# Altium PCB GoPoS_PCB_V3_0.PcbDoc (part 1 of 2) (continued)
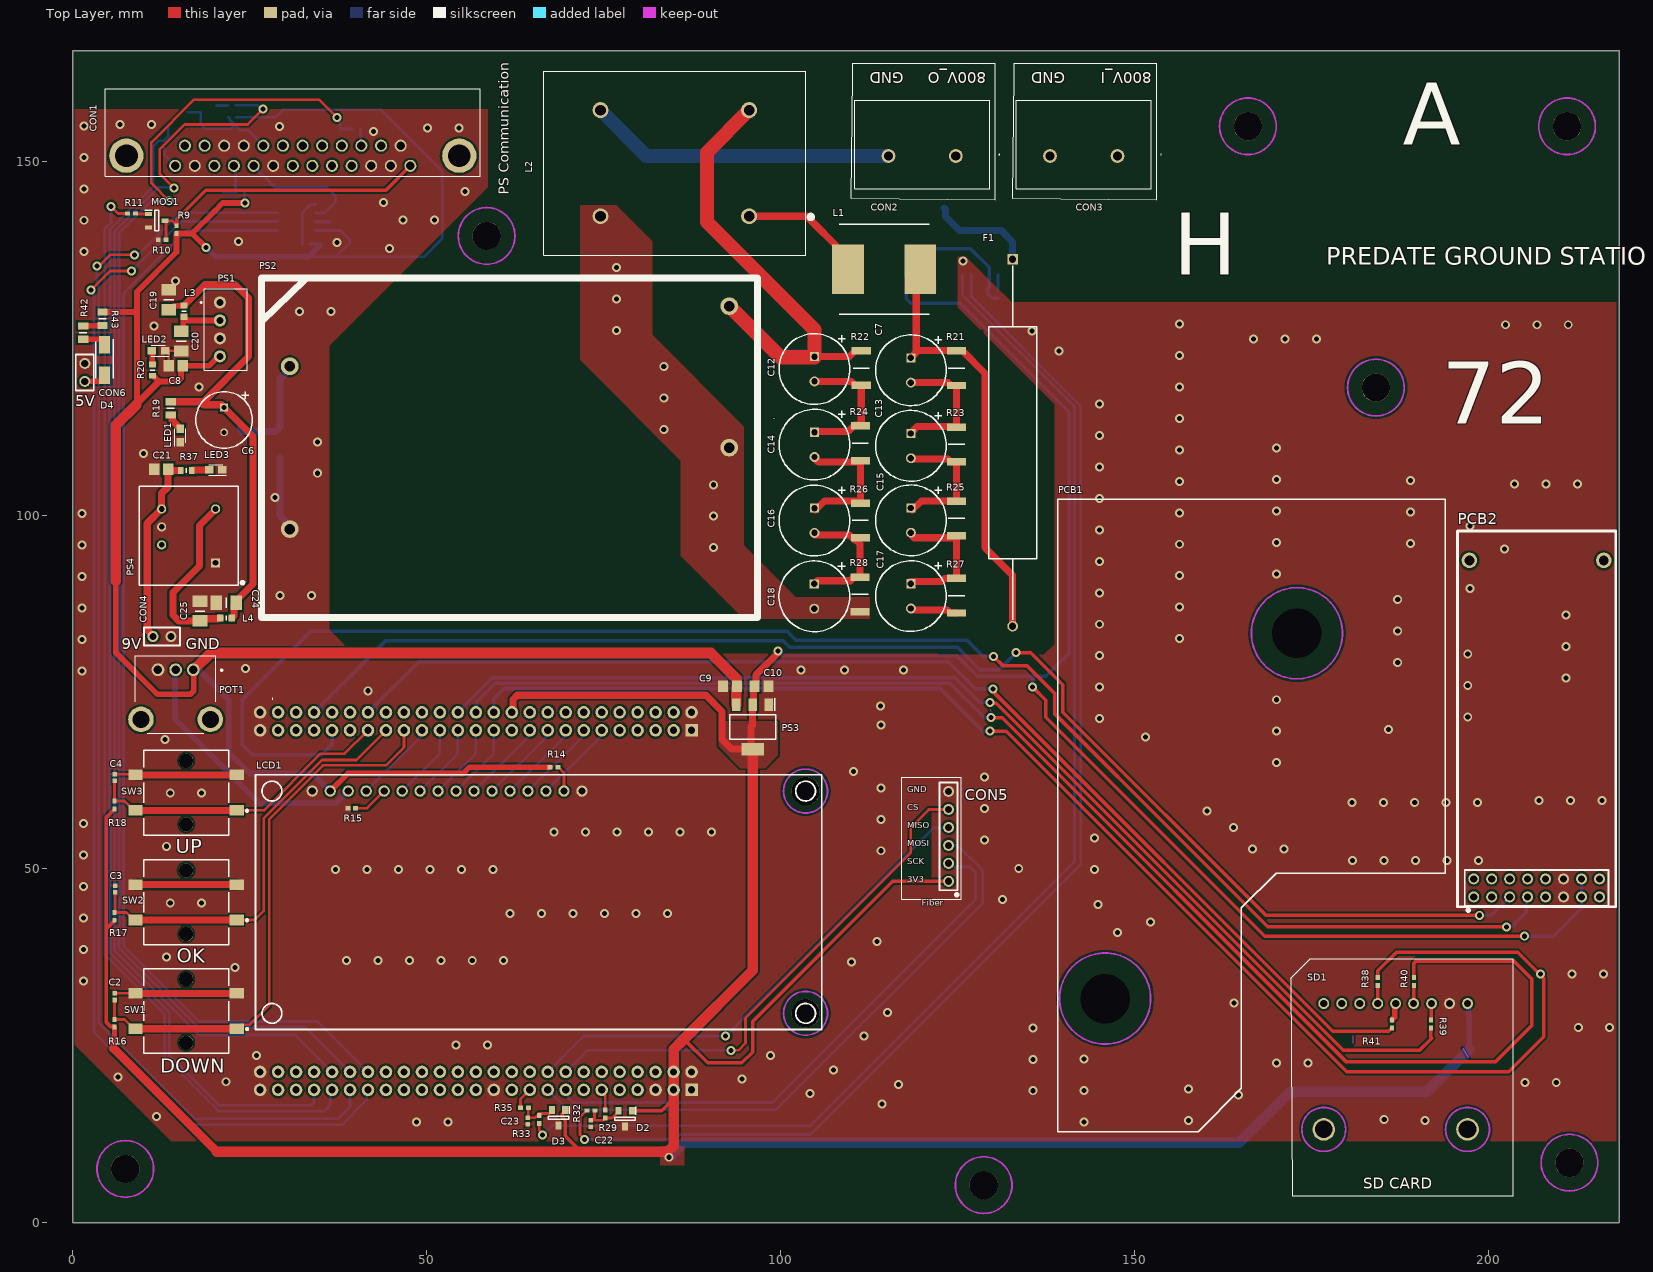
[diagram p0: Top Layer view]
## Part data (continued)
CON2 CON3: "Terminal Block; 32 A; 690 V; 9.5 mm; 24 to 10", Manufacturer="Phoenix Contact", Supplier Part Number 1=651-1714971, Category="Test Probes, Leads and Clips", Manufacturer Part Number=1714971, Part Number=1714971, Pricing 1="1=1,98000, 10=1,93000, 50=1,80000, 100=1,6500", RoHS=Yes, Stock 1=10332, Supplier 1=Mouser
CON4 CON6: "NOVO Female Straight Black Handle, Open Top 2", Manufacturer="TE Connectivity", Supplier Part Number 1=571-8815451, Category="Headers and Wire Housings", Manufacturer Part Number=881545-1, Part Number=881545-1, Pricing 1="1=0,27000, 10=0,21700, 50=0,21700, 100=0,1680", RoHS=Yes, Stock 1=219481, Supplier 1=Mouser
CON5: "2.54MM M20 SMT Connectors 06 Sil Vertical SMT", Case/Package=SIL, Color=Black, Contact Resistance=30mR, Manufacturer=Harwin, Max Current Rating=3A, Max Operating Temperature=105°C, Min Operating Temperature=-40°C, Package Quantity=1000, Supplier Part Number 1=855-M20-8770646, Category="Headers and Wire Housings", ComponentLink1Description=https://datasheet.ciiva.com/9479/m20-876-9479, ComponentLink1URL=https://datasheet.ciiva.com/9479/m20-876-9479, Connector Type="Male Pin", Contact Material=Brass, Contact Mating Length=0.228inch, Contact Plating=Tin, Contact Type="Male Pin", Depth=2.54mm, Gender=Male, Housing Color=Black, Housing Material=Nylon, Length=15.24mm, Manufacturer Part Number=M20-8770646, Mount="Surface Mount", Number of Contacts=6, Number of Positions=6, Number of Rows=1, Orientation=Straight, Packaging=Bag, Part Number=M20-8770646, Pitch=5.08mm, Pricing 1="1=0,50000, 10=0,39400, 50=0,39400, 100=0,3410", Radiation Hardening=No, RoHS=Yes, RoHS Compliant=Yes, Series=M20, Stock 1=3913, Supplier 1=Mouser, Termination=Solder
D1: "Diode TVS Single Uni-Dir 20V 600W 2-Pin SMB", Breakdown Voltage=22.2V, Case/Package=DO-214AA, Clamping Voltage=32.4V, Leakage Current=1uA, Manufacturer=Littelfuse, Max Breakdown Voltage=24.5V, Max Operating Temperature=150°C, Max Power Dissipation=600W, Max Surge Current=18.6A, Min Operating Temperature=-55°C, Operating Supply Voltage=20V, Package Quantity=3000, Power Line Protection=No, Resistor Type=Zener, Supplier Part Number 1=821-SMBJ20A, Test Current=1mA, Category="TVS Diodes", Clamping Voltage-Max=32.4V, ComponentLink1Description=https://datasheet.ciiva.com/46381/607623-4638, ComponentLink1URL=https://datasheet.ciiva.com/46381/607623-4638, ComponentLink2Description=https://datasheet.ciiva.com/331/littelfuse-tv, ComponentLink2URL=https://datasheet.ciiva.com/331/littelfuse-tv, ComponentLink3Description=https://datasheet.ciiva.com/16391/littelfuse-, ComponentLink3URL=https://datasheet.ciiva.com/16391/littelfuse-, ComponentLink4Description=https://datasheet.ciiva.com/331/littelfuse-tv, ComponentLink4URL=https://datasheet.ciiva.com/331/littelfuse-tv, ComponentLink5Description=https://datasheet.ciiva.com/331/littelfuse-tv, ComponentLink5URL=https://datasheet.ciiva.com/331/littelfuse-tv, ComponentLink6Description=https://datasheet.ciiva.com/4509/littelfuse-t, ComponentLink6URL=https://datasheet.ciiva.com/4509/littelfuse-t, Diode Type=ZENER, Direction=Unidirectional, Height=2.44mm, Lead Free="Lead Free", Length=5.59mm, Manufacturer Part Number=SMBJ20A, Min Breakdown Voltage=22.2V, Mount="Surface Mount", Number of Channels=1, Number of Elements=1, Number of Pins=2, Number of Unidirectional Channels=1, Packaging="Tape and Reel", Part Number=SMBJ20A, Peak Pulse Current=18.6A, Peak Pulse Power=600W, Polarity=Unidirectional, Power Dissipation=600W, Pricing 1="1=0,48510, 10=0,37210, 25=0,36840, 100=0,2633", Radiation Hardening=No, REACH SVHC="No SVHC", Reverse Breakdown Voltage=22.2V, Reverse Standoff Voltage=20V, RoHS=Yes, RoHS Compliant=Yes, Series=SMBJ, Stock 1=6334, Supplier 1=Mouser, Termination=SMD/SMT, Voltage Rating (DC)=20V, Width=3.94mm
D2 D3: "DIODE ARRAY SCHOTTKY 30V SOT23", Manufacturer=Nexperia, Supplier Part Number 1=771-BAT54S235, Category="Rectifier Diodes", ComponentLink1Description=https://assets.nexperia.com/documents/data-sh, ComponentLink1URL=https://assets.nexperia.com/documents/data-sh, Manufacturer Part Number=BAT54S,235, Part Number=BAT54S,235, Pricing 1="1=0,20000, 10=0,18900, 50=0,18900, 100=0,1030", RoHS=Yes, RoHS Compliant=Yes, Stock 1=209546, Supplier 1=Mouser
D4: "General Purpose Rectifier 1000V1A SMA (DO-214", Average Rectified Current=1A, Manufacturer=Comchip, Max Reverse Voltage (DC)=1kV, Supplier Part Number 1=750-S1M-HF, Manufacturer Part Number=S1M-HF, Mount="Surface Mount", Part Number=S1M-HF, Pricing 1="1=0,2, 10=0,181, 50=0,181, 100=0,099, 1000=0,", RoHS=Yes, RoHS Compliant=Yes, Series=-, Stock 1=11330, Supplier 1=Mouser
F1: "Fuses with Leads (Through Hole) FUSE, CERAMIC", Manufacturer=Bel, Supplier Part Number 1=530-0ADBP2000-RE, Category=Fuses, Manufacturer Part Number=0ADBP2000-RE, Mount="Through Hole", Part Number=0ADBP2000-RE, Pricing 1="1=6,55000, 5=6,32600, 10=6,10000, 50=4,74460,", RoHS=Yes, Stock 1=535, Supplier 1=Mouser
IC1: "Digital Potentiometer 10k Ohm 1 Circuit 256 T", Manufacturer=Microchip, Supplier Part Number 1=579-MCP41010-I/SN, Category="Digital Potentiometers", Manufacturer Part Number=MCP41010-I/SN, Part Number=MCP41010-I/SN, Pricing 1="1=1,91000, 10=1,91000, 25=1,76000, 50=1,76000", RoHS=Yes, Stock 1=13064, Supplier 1=Mouser
IC2: "Open-drain, 16 Pin, Plastic/epoxy", Manufacturer=ACEINNA, Supplier Part Number 1=438-MCA1101-5-3, Manufacturer Part Number=MCA1101-5-3, Part Number=MCA1101-5-3, Pricing 1="1=6,09000, 10=4,76000, 50=3,86000, 100=3,3200", RoHS=Yes, Stock 1=1841, Supplier 1=Mouser
L1: library part SRR1208-122KL, "Ind Power Shielded Wirewound 1.2mH 10% 1KHz 1", Case/Package=Nonstandard, Manufacturer=Bourns, Supplier Part Number 1=652-SRR1208-122KL, Category="Fixed Inductors", Manufacturer Part Number=SRR1208-122KL, Mount="Surface Mount", Number of Pins=2, Part Number=SRR1208-122KL, Pricing 1="1=1,24000, 10=1,04000, 50=1,04000, 100=0,7500", RoHS=Yes, Stock 1=8, Supplier 1=Mouser
L2: "Filter, Common Mode, 0.01H, 3.4A", Current Rating=3.4A, DC Resistance (DCR)=110mR, Inductance=10mH, Manufacturer="Wurth Electronics", Max Operating Temperature=125°C, Min Operating Temperature=-40°C, Package Quantity=112, Supplier Part Number 1=710-744866103, Voltage Rating (AC)=250V, Category="Common Mode Chokes", Manufacturer Part Number=744866103, Max Current Rating=3.4A, Mount="Through Hole", Number of Lines=2, Packaging=Bulk, Part Number=744866103, Pricing 1="1=2,17000, 10=2,17000, 50=2,17000, 100=2,1700", RoHS=Yes, Series=WE-FCL, Stock 1=28, Supplier 1=Mouser
L3 L4: library part MLZ1608M6R8WT000, "1.6mm x 0.8mm x 0.8mm, -55 to +125 degC, 100m", Manufacturer=TDK, Supplier Part Number 1=810-MLZ1608M6R8WT000, Category="Fixed Inductors", Manufacturer Part Number=MLZ1608M6R8WT000, Part Number=MLZ1608M6R8WT000, Pricing 1="1=0,14000, 10=0,10300, 50=0,10300, 100=0,0820", RoHS=Yes, Stock 1=398, Supplier 1=Mouser
LCD1: "LCD Character Display Modules & Accessories F", Manufacturer="Newhaven Display", Manufacturer Part Number=NHD-0216HZ-FSW-FBW-33V3C, Supplier Part Number 1=763-0216HZFSWFBW33V3, Part Number=1602A, Supplier 1=Mouser
LED1 LED2 LED3: "Led, Green, 520 Nm, 3.2 V, 30 Ma, 450 Mcd Roh", Manufacturer="Wurth Electronics", Supplier Part Number 1=710-150080GS75000, Category=LEDs, Manufacturer Part Number=150080GS75000, Part Number=150080GS75000, Pricing 1="1=0,19000, 10=0,18700, 50=0,17600, 100=0,1510", RoHS=Yes, Stock 1=29367, Supplier 1=Mouser
MCU1: "STM32F407VGT6 Microcontroller Development Kit", Manufacturer=STMicroelectronics, Supplier Part Number 1=497-16287-ND, Category=Microcontrollers, ComponentLink1Description=http://www.farnell.com/datasheets/1868813.pdf, ComponentLink1URL=http://www.farnell.com/datasheets/1868813.pdf, ComponentLink2Description=http://www.farnell.com/datasheets/1868813.pdf, ComponentLink2URL=http://www.farnell.com/datasheets/1868813.pdf, ComponentLink3Description=http://www.st.com/content/ccc/resource/techni, ComponentLink3URL=http://www.st.com/content/ccc/resource/techni, Core Architecture=ARM, Evaluation Kit=Yes, Lead Free="Lead Free", Manufacturer Part Number=STM32F407G-DISC1, Number of Bits=32, Part Number=STM32F407G-DISC1, Pricing 1="1=19,90000 (USD)", REACH SVHC="No SVHC", RoHS=Yes, Stock 1=1, Supplier 1=Digi-Key
MOS1 MOS2: "N-Channel 60 V 0.2 W Surface Mount 2.5 V Driv", Case/Package=TO-236-3, Continuous Drain Current (ID)=250mA, Current Rating=2A, DC Cold Resistance=150mR, Drain to Source Breakdown Voltage=60V, Drain to Source Resistance=1.7R, Gate to Source Voltage (Vgs)=20V, Input Capacitance=15pF, Manufacturer=Rohm, Max Operating Temperature=150°C, Max Power Dissipation=200mW, Min Operating Temperature=-55°C, Package Quantity=3000, Power Dissipation=300W, Resistor Type=Ceramic, Supplier Part Number 1=755-RK7002BMT116, Threshold Voltage=2.7V, Voltage=250V, Voltage Rating (AC)=1kV, Approvals=cURus, Category=MOSFETs, ComponentLink1Description=http://www.farnell.com/datasheets/2197948.pdf, ComponentLink1URL=http://www.farnell.com/datasheets/2197948.pdf, ComponentLink2Description=http://www.mouser.com/ds/2/348/rk7002bmt116-e, ComponentLink2URL=http://www.mouser.com/ds/2/348/rk7002bmt116-e, ComponentLink3Description=http://www.farnell.com/datasheets/2197948.pdf, ComponentLink3URL=http://www.farnell.com/datasheets/2197948.pdf, ComponentLink4Description=http://www.farnell.com/datasheets/2197948.pdf, ComponentLink4URL=http://www.farnell.com/datasheets/2197948.pdf, ComponentLink5Description=http://rohmfs.rohm.com/en/products/databook/d, ComponentLink5URL=http://rohmfs.rohm.com/en/products/databook/d, ComponentLink6Description=http://rohmfs.rohm.com/en/techdata_basic/tran, ComponentLink6URL=http://rohmfs.rohm.com/en/techdata_basic/tran, ComponentLink7Description=https://media.digikey.com/pdf/Data%20Sheets/B, ComponentLink7URL=https://media.digikey.com/pdf/Data%20Sheets/B, ComponentLink8Description=http://www.mouser.com/ds/2/215/574-741252.pdf, ComponentLink8URL=http://www.mouser.com/ds/2/215/574-741252.pdf, ComponentLink9Description=http://mail.keyelco.com/ENG._DEPT/PDF%20CAT%2, ComponentLink9URL=http://mail.keyelco.com/ENG._DEPT/PDF%20CAT%2, ComponentLink10Description=https://datasheet.ciiva.com/29618/3061295-296, ComponentLink10URL=https://datasheet.ciiva.com/29618/3061295-296, ComponentLink11Description=https://datasheet.ciiva.com/29286/448842-da-0, ComponentLink11URL=https://datasheet.ciiva.com/29286/448842-da-0, ComponentLink12Description=https://datasheet.ciiva.com/29755/csd19535kcs, ComponentLink12URL=https://datasheet.ciiva.com/29755/csd19535kcs, ComponentLink13Description=https://datasheet.ciiva.com/46430/1857241-464, ComponentLink13URL=https://datasheet.ciiva.com/46430/1857241-464, Contact Material=Brass, Contact Plating=Tin, Drain to Source Voltage (Vdss)=60V, Element Configuration=Single, Fall Time=28ns, FET Type="1 N-Channel", Fuse Type="Cartridge, Ceramic", Height=16.51mm, Lead Free="Lead Free", Length=1.496inch, Manufacturer Part Number=RK7002BMT116, Material=Brass,Tin, Mount="Surface Mount", Number of Channels=1, Number of Circuits=1, Number of Elements=1, Number of Pins=3, Packaging="Tape and Reel", Part Number=RK7002BMT116, Polarity=N-CHANNEL, Pricing 1="1=0,21000, 10=0,17800, 50=0,17800, 100=0,0940", Rds On Max=2.4R, Reach SVHC Compliant=Yes, Rise Time=5ns, RoHS=Yes, RoHS Compliant=Yes, Series=NexFET™, Stock 1=98948, Supplier 1=Mouser, Termination=SMD/SMT, Turn-Off Delay Time=18ns, Turn-On Delay Time=3.5ns, Voltage Rating (DC)=1kV, Weight=0.211644oz, Width=4.7mm
PCB1: library part "TP-Link MC220L", "Gigabit SFP to RJ45 Fiber Media Converter", Part Number="TP-Link MC220L", Supplier 1=Amazon
PCB2: library part 2-CH-UART-TO-ETH, "The 2-CH UART TO ETH provides an easy way to", ComponentLink1URL=https://www.waveshare.com/wiki/2-CH_UART_TO_E, Part Number=2-CH-UART-TO-ETH, Supplier 1=Waveshare
POT1: library part PTV09A-4030U-B203, "Res Carbon Film POT 20K Ohm 20% 1/20W 1(Elec)", Manufacturer=Bourns, Supplier Part Number 1=652-PTV09A-4030UB203, Category="Variable Resistors and Potentiometers", Manufacturer Part Number=PTV09A-4030U-B203, Part Number=PTV09A-4030U-B203, Pricing 1="1=0,26700, 10=0,26700, 25=0,26700, 50=0,26700", RoHS=Yes, Stock 1=787, Supplier 1=Mouser
PS1: "5 Vdc, 0.2 A, 1 W, 13.5~16.5 Vdc Input Range", Manufacturer=CUI, Supplier Part Number 1=490-PDSE1-S15-S5-S, Category="Board Mount Modules", Manufacturer Part Number=PDSE1-S15-S5-S, Part Number=PDSE1-S15-S5-S, Pricing 1="1=2,65000, 10=2,58000, 50=2,46000, 100=2,4400", RoHS=Yes, Stock 1=606, Supplier 1=Mouser
PS2: "DC DC Converter, 15V, 15W", Manufacturer=MORNSUN, Supplier Part Number 1=2725-PV15-27B15R3-ND, Category="Board Mount Modules", Manufacturer Part Number=PV15-27B15R3, Part Number=PV15-27B15R3, Pricing 1="1=11,83000, 5=11,66000, 10=11,49200, 25=10,81", RoHS=Yes, Stock 1=69, Supplier 1=Digi-Key
PS3: "LDO Regulator Pos 3.3V 1A 4-Pin(3+Tab) SOT-22", Case/Package=SOT-223, Input Bias Current=14nA, Input Offset Voltage (Vos)=1mV, Manufacturer="Taiwan Semiconductor", Max Input Voltage=15V, Max Operating Temperature=125°C, Max Output Current=800mA, Max Power Dissipation=450mW, Max Reset Threshold Voltage=1.295V, Max Supply Current=900uA, Max Supply Voltage=5V, Min Operating Temperature=0°C, Min Reset Threshold Voltage=1.245V, Min Supply Voltage=1.8V, Nominal Supply Current=103uA, Number of Voltages Monitored=2, Operating Supply Current=116uA, Operating Supply Voltage=3V, Output Current=1A, Output Current per Channel=100mA, Output Voltage=3.3V, Output Voltage Accuracy=2%, Package Quantity=1000, Power Dissipation=15W, Power Supply Rejection Ratio (PSRR)=75dB, Quiescent Current=10mA, Reference Voltage=1.275V, Supplier Part Number 1=821-TS1117BCW33RPG, Threshold Voltage=1.27V, Voltage Gain=113dB, Accuracy=2%, Amplifier Type="GENERAL PURPOSE", Category=Uncategorized, Common Mode Rejection Ratio=50dB, ComponentLink1Description=http://uk.rs-online.com/webdocs/1405/0900766b, ComponentLink1URL=http://uk.rs-online.com/webdocs/1405/0900766b, ComponentLink2Description=http://components.arrow.com/part/dataview/459, ComponentLink2URL=http://components.arrow.com/part/dataview/459, ComponentLink3Description=https://datasheet.ciiva.com/5704/786773-57042, ComponentLink3URL=https://datasheet.ciiva.com/5704/786773-57042, ComponentLink4Description=https://datasheet.ciiva.com/6627/lmv981-n-662, ComponentLink4URL=https://datasheet.ciiva.com/6627/lmv981-n-662, ComponentLink5Description=https://datasheet.ciiva.com/6627/lmv981-n-662, ComponentLink5URL=https://datasheet.ciiva.com/6627/lmv981-n-662, ComponentLink6Description=https://datasheet.ciiva.com/6627/lmv981-n-662, ComponentLink6URL=https://datasheet.ciiva.com/6627/lmv981-n-662, ComponentLink7Description=https://datasheet.ciiva.com/1179/mc34161-d-11, ComponentLink7URL=https://datasheet.ciiva.com/1179/mc34161-d-11, ComponentLink8Description=https://datasheet.ciiva.com/1970/mc34161-d-19, ComponentLink8URL=https://datasheet.ciiva.com/1970/mc34161-d-19, ComponentLink9Description=https://datasheet.ciiva.com/3306/mc34161-d-33, ComponentLink9URL=https://datasheet.ciiva.com/3306/mc34161-d-33, ComponentLink10Description=https://datasheet.ciiva.com/8132/mc34161-d-81, ComponentLink10URL=https://datasheet.ciiva.com/8132/mc34161-d-81, ComponentLink11Description=https://datasheet.ciiva.com/1970/mc34161-d-19, ComponentLink11URL=https://datasheet.ciiva.com/1970/mc34161-d-19, ComponentLink12Description=https://datasheet.ciiva.com/1970/mc34161-d-19, ComponentLink12URL=https://datasheet.ciiva.com/1970/mc34161-d-19, Gain Bandwidth Product=1.5MHz, Halogen Free="Halogen Free", Height=1.8mm, Lead Free="Lead Free", Length=6.85mm, Manufacturer Part Number=TS1117BCW33RP, Mount="Surface Mount", Number of Amplifiers=1, Number of Circuits=1, Number of Elements=1, Number of Outputs=1, Output Type=Fixed, Packaging="Tape and Reel", Part Number=TS1117BCW33RP, Polarity=Positive, Power Rating=15W, Radiation Hardening=No, Reach SVHC Compliant=Yes, RoHS=Yes, RoHS Compliant=Yes, Series=-, Slew Rate=0.42V/µs, Supplier 1=Mouser, Technology=BICMOS, Type="Multi-Voltage Supervisor", Unity Gain Bandwidth Product=1.5MHz, Watchdog Timer=No, Width=3.75mm
PS4: "9/-9 Vdc, 0.167/-0.167 A, 3 W, 9~18 Vdc Input", Manufacturer=CUI, Supplier Part Number 1=490-PQP3-D12-D9-D, Category="Board Mount Modules", Manufacturer Part Number=PQP3-D12-D9-D, Part Number=PQP3-D12-D9-D, Pricing 1="1=9,27, 10=9,13, 50=8,44, 100=8,44, 1000=7,46", RoHS=Yes, Stock 1=23, Supplier 1=Mouser
R1 R9 R15 R34: library part RC0402FR-0710KL, "Res General Purpose Thick Film 0402 10K Ohm 1", Manufacturer=Yageo, Supplier Part Number 1=603-RC0402FR-0710KL, Category="Chip SMD Resistors", Manufacturer Part Number=RC0402FR-0710KL, Part Number=RC0402FR-0710KL, Pricing 1="1=0.10000, 10=0.01400, 50=0.01400, 100=0.0050", RoHS=Yes, Supplier 1=Mouser
R2 R7 R8 R10 R12 R13 R14: library part Res0402_TBD, Part Number=Res0402_TBD
R3 R5: library part RC0402FR-071K1L, "RES SMD 1.1K OHM 1% 1/16W 0402", Case Code (Imperial)=0402, Case Code (Metric)=1005, Manufacturer=Yageo, Max Operating Temperature=155°C, Max Power Dissipation=63mW, Min Operating Temperature=-55°C, Power Rating=62.5mW, Resistance=1.1kR, Resistor Type="Thick Film", Supplier Part Number 1=603-RC0402FR-071K1L, Temperature Coefficient=100ppm/°C, Tolerance=1%, Voltage Rating=50V, Case/Package=0402, Category="Chip SMD Resistors", Construction=Rectangular, Features="Moisture Resistant", Manufacturer Part Number=RC0402FR-071K1L, Number of Pins=2, Number of Terminations=2, Packaging="Tape and Reel", Part Number=RC0402FR-071K1L, Pricing 1="1=0.10000, 10=0.01200, 50=0.01200, 100=0.0040", RoHS=Yes, Series=RC, Stock 1=52090, Supplier 1=Mouser, Termination=SMD/SMT, Voltage Rating (DC)=50V
R4 R6: library part RC0402FR-072K1L, "Res Thick Film 0402 2.1K Ohm 1% 1/16W ±100ppm", Case Code (Imperial)=0402, Case Code (Metric)=1005, Manufacturer=Yageo, Max Operating Temperature=155°C, Max Power Dissipation=63mW, Min Operating Temperature=-55°C, Power Rating=62.5mW, Resistance=2.1kR, Resistor Type="Thick Film", Supplier Part Number 1=603-RC0402FR-072K1L, Temperature Coefficient=100ppm/°C, Tolerance=1%, Voltage Rating=50V, Case/Package=0402, Category="Chip SMD Resistors", ComponentLink1Description=https://datasheet.ciiva.com/17423/pyu-rc0402-, ComponentLink1URL=https://datasheet.ciiva.com/17423/pyu-rc0402-, ComponentLink2Description=https://datasheet.ciiva.com/28415/pyu-rc0402-, ComponentLink2URL=https://datasheet.ciiva.com/28415/pyu-rc0402-, Construction=Rectangular, Contact Plating=Tin,Matte, Depth=0.5mm, Features="Moisture Resistant", Height=0.016inch, Lead Free="Lead Free", Length=0.039inch, Manufacturer Part Number=RC0402FR-072K1L, Military Standard=Not, Number of Terminations=2, Packaging="Tape and Reel", Part Number=RC0402FR-072K1L, Pricing 1="1=0.10000, 10=0.01600, 50=0.01600, 100=0.0070", RoHS=Yes, RoHS Compliant=Yes, Series=RC, Size Code=0402, Supplier 1=Mouser, Termination=SMD/SMT, Voltage Rating (DC)=50V, Width=0.02inch
R11 R36: library part RT0402FRE0710RL, "Res Thin Film 0402 10 Ohm 1% 0.063W(1/16W) ±5", Case Code (Imperial)=0402, Case Code (Metric)=1005, Manufacturer=Yageo, Max Operating Temperature=125°C, Max Power Dissipation=63mW, Min Operating Temperature=-55°C, Power Rating=62.5mW, Resistor Type="Thin Film", Supplier Part Number 1=603-RT0402FRE0710RL, Temperature Coefficient=50ppm/°C, Tolerance=1%, Voltage Rating=50V, Case/Package=0402, Category="Chip SMD Resistors", ComponentLink1Description=https://datasheet.ciiva.com/12812/pyu-rt-1-to, ComponentLink1URL=https://datasheet.ciiva.com/12812/pyu-rt-1-to, Construction=Rectangular, Contact Plating=Tin,Matte,Lead, Depth=0.5mm, Height=0.3mm, Lead Free="Lead Free", Length=1mm, Manufacturer Part Number=RT0402FRE0710RL, Military Standard=Not, Number of Terminations=2, Packaging="Tape and Reel", Part Number=RT0402FRE0710RL, Pricing 1="1=0,10110, 10=0,08390, 25=0,08320, 100=0,0347", Radiation Hardening=No, Resistance=10R, RoHS=Yes, RoHS Compliant=Yes, Series=RT, Stock 1=9607, Supplier 1=Mouser, Termination=SMD/SMT, Voltage Rating (DC)=50V, Weight=2.3E-05oz, Width=0.5mm
R16 R17 R18: library part RC0402JR-132K2L, "Res Thick Film 0402 2.2K Ohm 5% 1/16W ±100ppm", Case/Package=0402, Manufacturer=Yageo, Max Operating Temperature=155°C, Min Operating Temperature=-55°C, Resistance=2.2kR, Resistor Type="Thick Film", Supplier Part Number 1=603-RC0402JR-132K2L, Temperature Coefficient=100ppm/°C, Tolerance=5%, Category="Chip SMD Resistors", ComponentLink1Description=https://datasheet.ciiva.com/8894/pyu-rc0402-5, ComponentLink1URL=https://datasheet.ciiva.com/8894/pyu-rc0402-5, Construction=Rectangular, Contact Plating=Tin,Matte, Depth=0.5mm, Length=1mm, Manufacturer Part Number=RC0402JR-132K2L, Military Standard=Not, Packaging="Tape and Reel", Part Number=RC0402JR-132K2L, Pricing 1="1=0,10000, 10=0,01000, 50=0,01000, 100=0,0040", Radiation Hardening=No, RoHS=Yes, RoHS Compliant=Yes, Stock 1=75332, Supplier 1=Mouser
R19 R42 R43: library part RT0805FRE073KL, "Res Thin Film 0805 3K Ohm 1% 1/8W ±50ppm/°C M", Case/Package=0805, Manufacturer=Yageo, Max Operating Temperature=125°C, Max Power Dissipation=125mW, Min Operating Temperature=-55°C, Resistance=3kR, Resistor Type="Thin Film", Supplier Part Number 1=603-RT0805FRE073KL, Temperature Coefficient=50ppm/°C, Tolerance=1%, Voltage Rating (DC)=150V, Category="Chip SMD Resistors", ComponentLink1Description=http://www.yageo.com/documents/recent/PYu-RT_, ComponentLink1URL=http://www.yageo.com/documents/recent/PYu-RT_, ComponentLink2Description=http://www.yageo.com/documents/recent/PYu-RT_, ComponentLink2URL=http://www.yageo.com/documents/recent/PYu-RT_, Construction=Rectangular, Contact Plating=Tin,Matte, Depth=1.25mm, Lead Free="Lead Free", Length=2mm, Manufacturer Part Number=RT0805FRE073KL, Military Standard=Not, Number of Terminations=2, Packaging="Tape and Reel", Part Number=RT0805FRE073KL, Pricing 1="1=0,10000, 10=0,08400, 50=0,08400, 100=0,0330", Radiation Hardening=No, RoHS=Yes, RoHS Compliant=Yes, Series=RT, Stock 1=4566, Supplier 1=Mouser, Width=1.25mm
R20 R37: library part RT0603FRE07715RL, "Res Thin Film 0603 715 Ohm 1% 1/10W ±50ppm/°C", Case Code (Imperial)=0603, Case Code (Metric)=1608, Manufacturer=Yageo, Max Operating Temperature=125°C, Max Power Dissipation=100mW, Min Operating Temperature=-55°C, Package Quantity=5000, Resistor Type="Thin Film", Supplier Part Number 1=603-RT0603FRE07715RL, Temperature Coefficient=50ppm/°C, Tolerance=1%, Voltage Rating=75V, Voltage Rating (DC)=50V, Case/Package=0603, Category="Chip SMD Resistors", ComponentLink1Description=https://datasheet.ciiva.com/2559/pyu-rt-1-to-, ComponentLink1URL=https://datasheet.ciiva.com/2559/pyu-rt-1-to-, ComponentLink2Description=https://datasheet.ciiva.com/12702/pyu-rt-1-to, ComponentLink2URL=https://datasheet.ciiva.com/12702/pyu-rt-1-to, Contact Plating=Tin,Matte, Height=0.022inch, Lead Free="Lead Free", Length=0.063inch, Manufacturer Part Number=RT0603FRE07715RL, Number of Terminations=2, Packaging="Tape and Reel", Part Number=RT0603FRE07715RL, Power Rating=100mW, Pricing 1="1=0,10000, 10=0,05700, 50=0,05700, 100=0,0230", Radiation Hardening=No, Resistance=715R, RoHS=Yes, RoHS Compliant=Yes, Series=RT, Stock 1=8890, Supplier 1=Mouser, Termination=SMD/SMT, Width=0.031inch
R21 R22 R23 R24 R25 R26 R27 R28: library part HV732HTTE1004F, "Res Thick Film 2010 1M Ohm 1% 0.5W(1/2W) ±100", Case Code (Imperial)=2010, Case Code (Metric)=5025, Manufacturer="KOA Speer", Max Operating Temperature=155°C, Min Operating Temperature=-55°C, Package Quantity=4000, Power Rating=500mW, Resistance=1MR, Resistor Type="Thick Film", Supplier Part Number 1=660-HV732HTTE1004F, Temperature Coefficient=100ppm/°C, Tolerance=1%, Voltage Rating=2kV, Case/Package=2010, Category="Chip SMD Resistors", ComponentLink1Description=http://www.koaspeer.com/catimages/Products/HV, ComponentLink1URL=http://www.koaspeer.com/catimages/Products/HV, Height=0.6mm, Length=5mm, Manufacturer Part Number=HV732HTTE1004F, Packaging="Tape and Reel", Part Number=HV732HTTE1004F, Pricing 1="1=0,64000, 10=0,52300, 50=0,52300, 100=0,3590", RoHS=Yes, Stock 1=8447, Supplier 1=Mouser, Termination=SMD/SMT, Voltage Rating (DC)=2kV, Width=2.5mm
R29 R32 R33 R35: library part RT0402FRE07100RL, "Res Thin Film 0402 100 Ohm 1% 0.063W(1/16W) ±", Case Code (Imperial)=0402, Case Code (Metric)=1005, Manufacturer=Yageo, Max Operating Temperature=125°C, Max Power Dissipation=63mW, Min Operating Temperature=-55°C, Package Quantity=10000, Power Rating=62.5mW, Resistor Type="Thin Film", Supplier Part Number 1=603-RT0402FRE07100RL, Temperature Coefficient=50ppm/°C, Tolerance=1%, Voltage Rating=50V, Case/Package=0402, Category="Chip SMD Resistors", ComponentLink1Description=https://datasheet.ciiva.com/12836/pyu-rt-1-to, ComponentLink1URL=https://datasheet.ciiva.com/12836/pyu-rt-1-to, ComponentLink2Description=https://datasheet.ciiva.com/8887/pyu-rt-1-to-, ComponentLink2URL=https://datasheet.ciiva.com/8887/pyu-rt-1-to-, Construction=Rectangular, Contact Plating=Tin,Matte, Depth=0.5mm, Features="Moisture Resistant", Height=0.014inch, Lead Free="Lead Free", Length=1mm, Manufacturer Part Number=RT0402FRE07100RL, Military Standard=Not, Number of Terminations=2, Packaging="Tape and Reel", Part Number=RT0402FRE07100RL, Pricing 1="1=0,10000, 10=0,07000, 50=0,07000, 100=0,0290", Radiation Hardening=No, Resistance=100R, RoHS=Yes, RoHS Compliant=Yes, Series=RT, Size Code=0402, Stock 1=800109, Supplier 1=Mouser, Termination=SMD/SMT, Voltage Rating (DC)=50V, Weight=2.3E-05oz, Width=0.02inch
R30 R31: library part Res0603_TBD, Max Operating Temperature=50°C, Max Power Dissipation=50mW, Min Operating Temperature=-10°C, Package Quantity=100, Resistance=20kR, Resistance Tolerance=20%, Resistor Type=Carbon, Actuator Diameter=0.236inch, Actuator Length=1.181inch, ComponentLink1Description=https://datasheet.ciiva.com/8701/ptv09-870140, ComponentLink1URL=https://datasheet.ciiva.com/8701/ptv09-870140, Depth=12.5mm, Length=11.4mm, Military Standard=Not, Mount="Through Hole,Snap in,Brackets", Number of Gangs=1, Number of Turns=1, Packaging=Bulk, Part Number=Res0603_TBD, Power Rating=50mW, Radiation Hardening=No, REACH SVHC="No SVHC", RoHS Compliant=Yes, Series="Pro Audio PTV09", Taper=Linear, Technology="CARBON FILM", Termination=Pin, Tolerance=20%, Type=Potentiometer
R38 R39 R40 R41: library part AC0402FR-070RL, "AC Series 0402 0 Ohm JUMPER Thick Film Chip R", Case Code (Imperial)=0402, Case Code (Metric)=1005, Manufacturer=Yageo, Max Operating Temperature=155°C, Min Operating Temperature=-55°C, Power Rating=62.5mW, Supplier Part Number 1=603-AC0402FR-070RL, Temperature Coefficient=200ppm/°C, Tolerance=1%, Voltage Rating=50V, Case/Package=0402, Category="Chip SMD Resistors", ComponentLink1Description=https://datasheet.ciiva.com/12656/pyu-ac-51-r, ComponentLink1URL=https://datasheet.ciiva.com/12656/pyu-ac-51-r, Manufacturer Part Number=AC0402FR-070RL, Packaging="Tape and Reel", Part Number=AC0402FR-070RL, Pricing 1="1=0,10000, 10=0,02000, 50=0,02000, 100=0,0090", Resistance=0R, RoHS=Yes, Series=AC, Stock 1=1298506, Supplier 1=Mouser, Termination=SMD/SMT
SD1: "adafruit_microsd_spi_sdio 3V only", Manufacturer=Adafruit, Supplier Part Number 1=485-4682, Part Number=4682, Supplier 1=Mouser
SW1 SW2 SW3: "Tact Switch 12X12MM Vertical Typ", Case Code (Imperial)=0805, Case Code (Metric)=2012, Color=Green, Forward Current=30mA, Forward Voltage=3.2V, Lens Color=Colorless, Manufacturer="Wurth Electronics", Manufacturer Part Number=430162085826, Max Operating Temperature=85°C, Min Operating Temperature=-40°C, Package Quantity=4000, Supplier Part Number 1=710-430162085826, Test Current=20mA, Case/Package=0805, Category="Tactile Switches", ComponentLink1Description=https://katalog.we-online.com/em/datasheet/43, ComponentLink1URL=https://katalog.we-online.com/em/datasheet/43, ComponentLink2Description=https://datasheet.ciiva.com/5761/1717943-5761, ComponentLink2URL=https://datasheet.ciiva.com/5761/1717943-5761, ComponentLink3Description=https://datasheet.ciiva.com/29563/150080gs750, ComponentLink3URL=https://datasheet.ciiva.com/29563/150080gs750, ComponentLink4Description=https://datasheet.ciiva.com/29279/759434-da-0, ComponentLink4URL=https://datasheet.ciiva.com/29279/759434-da-0, ComponentLink5Description=https://datasheet.ciiva.com/23813/150141rv731, ComponentLink5URL=https://datasheet.ciiva.com/23813/150141rv731, ComponentLink6Description=https://datasheet.ciiva.com/29278/759469-da-0, ComponentLink6URL=https://datasheet.ciiva.com/29278/759469-da-0, ComponentLink7Description=https://datasheet.ciiva.com/22653/1911489-226, ComponentLink7URL=https://datasheet.ciiva.com/22653/1911489-226, Dominant Wavelength=520nm, Height=0.7mm, Length=2mm, Lens Size=2.4mm, Lens Style=Clear,Rectangular, Lens Transparency=Clear, Luminous Intensity=450mcd, Mount="Surface Mount", Number of Pins=4, Packaging="Cut Tape", Part Number="PTS125SM43SMTR21M LFS", Pricing 1="1=0,54000, 10=0,51800, 50=0,44700, 100=0,3910", REACH SVHC=Unknown, RoHS=No, RoHS Compliant=Yes, Series=WL-SBTW, Stock 1=268, Supplier 1=Mouser, Viewing Angle=140°, Wavelength=520nm, Width=1.25mm

## Free pads (board coordinates)
  round 4 hole 4 unplated: ""(7.42,7.62) ""(58.474,139.446) ""(103.536,29.607) ""(103.536,61.007) ""(128.705,5.334) ""(166.043,154.94) ""(184.128,118.025) ""(211.128,154.94) ""(211.472,8.511)

## Via types
v1: diameter 1.27, hole 0.711, Top Layer to Bottom Layer, 245 vias

## Nets (pads, with @x,y where several pads share a name; then routed paths per layer and width w, separated by ;. In a path a pad name is that pad's centre, name@x,y a point inside that pad or via, vN(x,y) a via of type N, cw(c..) or ccw(c..) an arc to the next point about the centre after c; other vN are vias at no path point)
800V_out: CON3.1 IC2.5 IC2.6 IC2.7 IC2.8
+3V3: C10.1 C11.1 C26.1 C27.1 CON5.1 D2.2 D3.2 IC2.10 MCU1.3 MCU1.4 MCU1.72 PCB2.7 PCB2.15 PS3.2 PS3.4 R16.2 R17.2 R18.2 R30.2 R34.2 SD1.1 | length 663.6
  Top Layer w0.5: R16.2@5.896,27.644 5.896,27.694 5.846,27.744 5.33,27.744 4.753,28.321 4.753,41.564 ; R17.2@5.896,42.757 5.896,42.707 4.753,41.564 ; R18.2@5.896,58.505 5.896,58.455 4.753,57.312 4.753,41.564 ; D3.2@69.579,15.959 69.579,15.834 69.142,15.397 69.142,14.933 69.558,14.518 69.558,12.284 71.809,10.033 ; D2.2@78.982,15.832 83.196,15.832 84.741,17.377 ; 86.223,25.845 86.477,25.845 89.716,22.606 94.542,22.606 96.066,24.13 96.066,28.448 115.878,48.26 CON5.1@123.752,48.26 ; v1(135.6,75.725) 137.475,73.85 137.475,71.425 168.4,40.5 v1(205.1,40.5)
  Top Layer w0.7: 5.769,25.781 5.896,25.908 R16.2@5.896,27.644
  Top Layer w1: 5.769,24.638 5.769,25.781 ; MCU1.72@62.03,72.136 62.179,72.285 62.179,73.936 62.792,74.549 89.462,74.549 91.748,72.263 91.748,68.326 93.145,66.929 PS3.4@96.066,66.929 95.812,67.183 95.812,70.104 96.066,70.358 PS3.2@96.066,73.229 96.166,73.329 96.166,74.395 96.193,74.422 96.193,75.692 C10.1@96.32,75.819 96.54,76.039 96.54,77.436 99.622,80.518 v1(99.622,80.772)
  Top Layer w1.25: 5.769,24.638 20.374,10.033
  Top Layer w1.5: 20.374,10.033 71.809,10.033 84.011,10.033 84.89,10.912 MCU1.3@84.89,18.796 MCU1.4@84.89,21.336 84.89,24.511 86.223,25.845 96.066,35.687 PS3.4@96.066,66.929
  Bottom Layer w0.5: v1(99.622,80.772) 99.628,80.772 100.3,80.1 124.932,80.1 127.807,77.225 135.6,77.225 ; C11.1@129.224,131.953 129.229,131.953 129.299,131.883 129.299,131.232 129.89,130.641 R34.2@130.737,130.641 ; C11.1@129.467,132.191 IC2.10@129.467,133.959 129.467,135.001 126.8,137.668 121.466,137.668 119.938,136.14 119.938,134.897 119.788,134.747 R30.2@119.688,134.747 119.538,134.597 118.776,134.597 117.783,133.604 117.783,130.556 118.418,129.921 125.403,129.921 140.77,114.554 140.77,80.518 137.477,77.225 135.6,77.225 ; v1(135.6,75.725) 135.6,77.225 ; v1(205.1,40.5) 209.228,40.5 213.18,44.452 PCB2.7@213.18,46.06 PCB2.15@213.18,48.6
  Bottom Layer w0.781: SD1.1@197.073,30.988 197.22,30.841 197.22,29.111 197.344,28.987 197.344,28.4 197.344,27 197.344,24.545 197.3,24.5
  Bottom Layer w1.5: v1(84.255,9.271) 86.287,11.303 164.773,11.303 172.012,18.542 191.342,18.542 197.3,24.5